# Altium PCB 智能马桶综合检测台V1.0.PcbDoc (part 4 of 10) (continued)
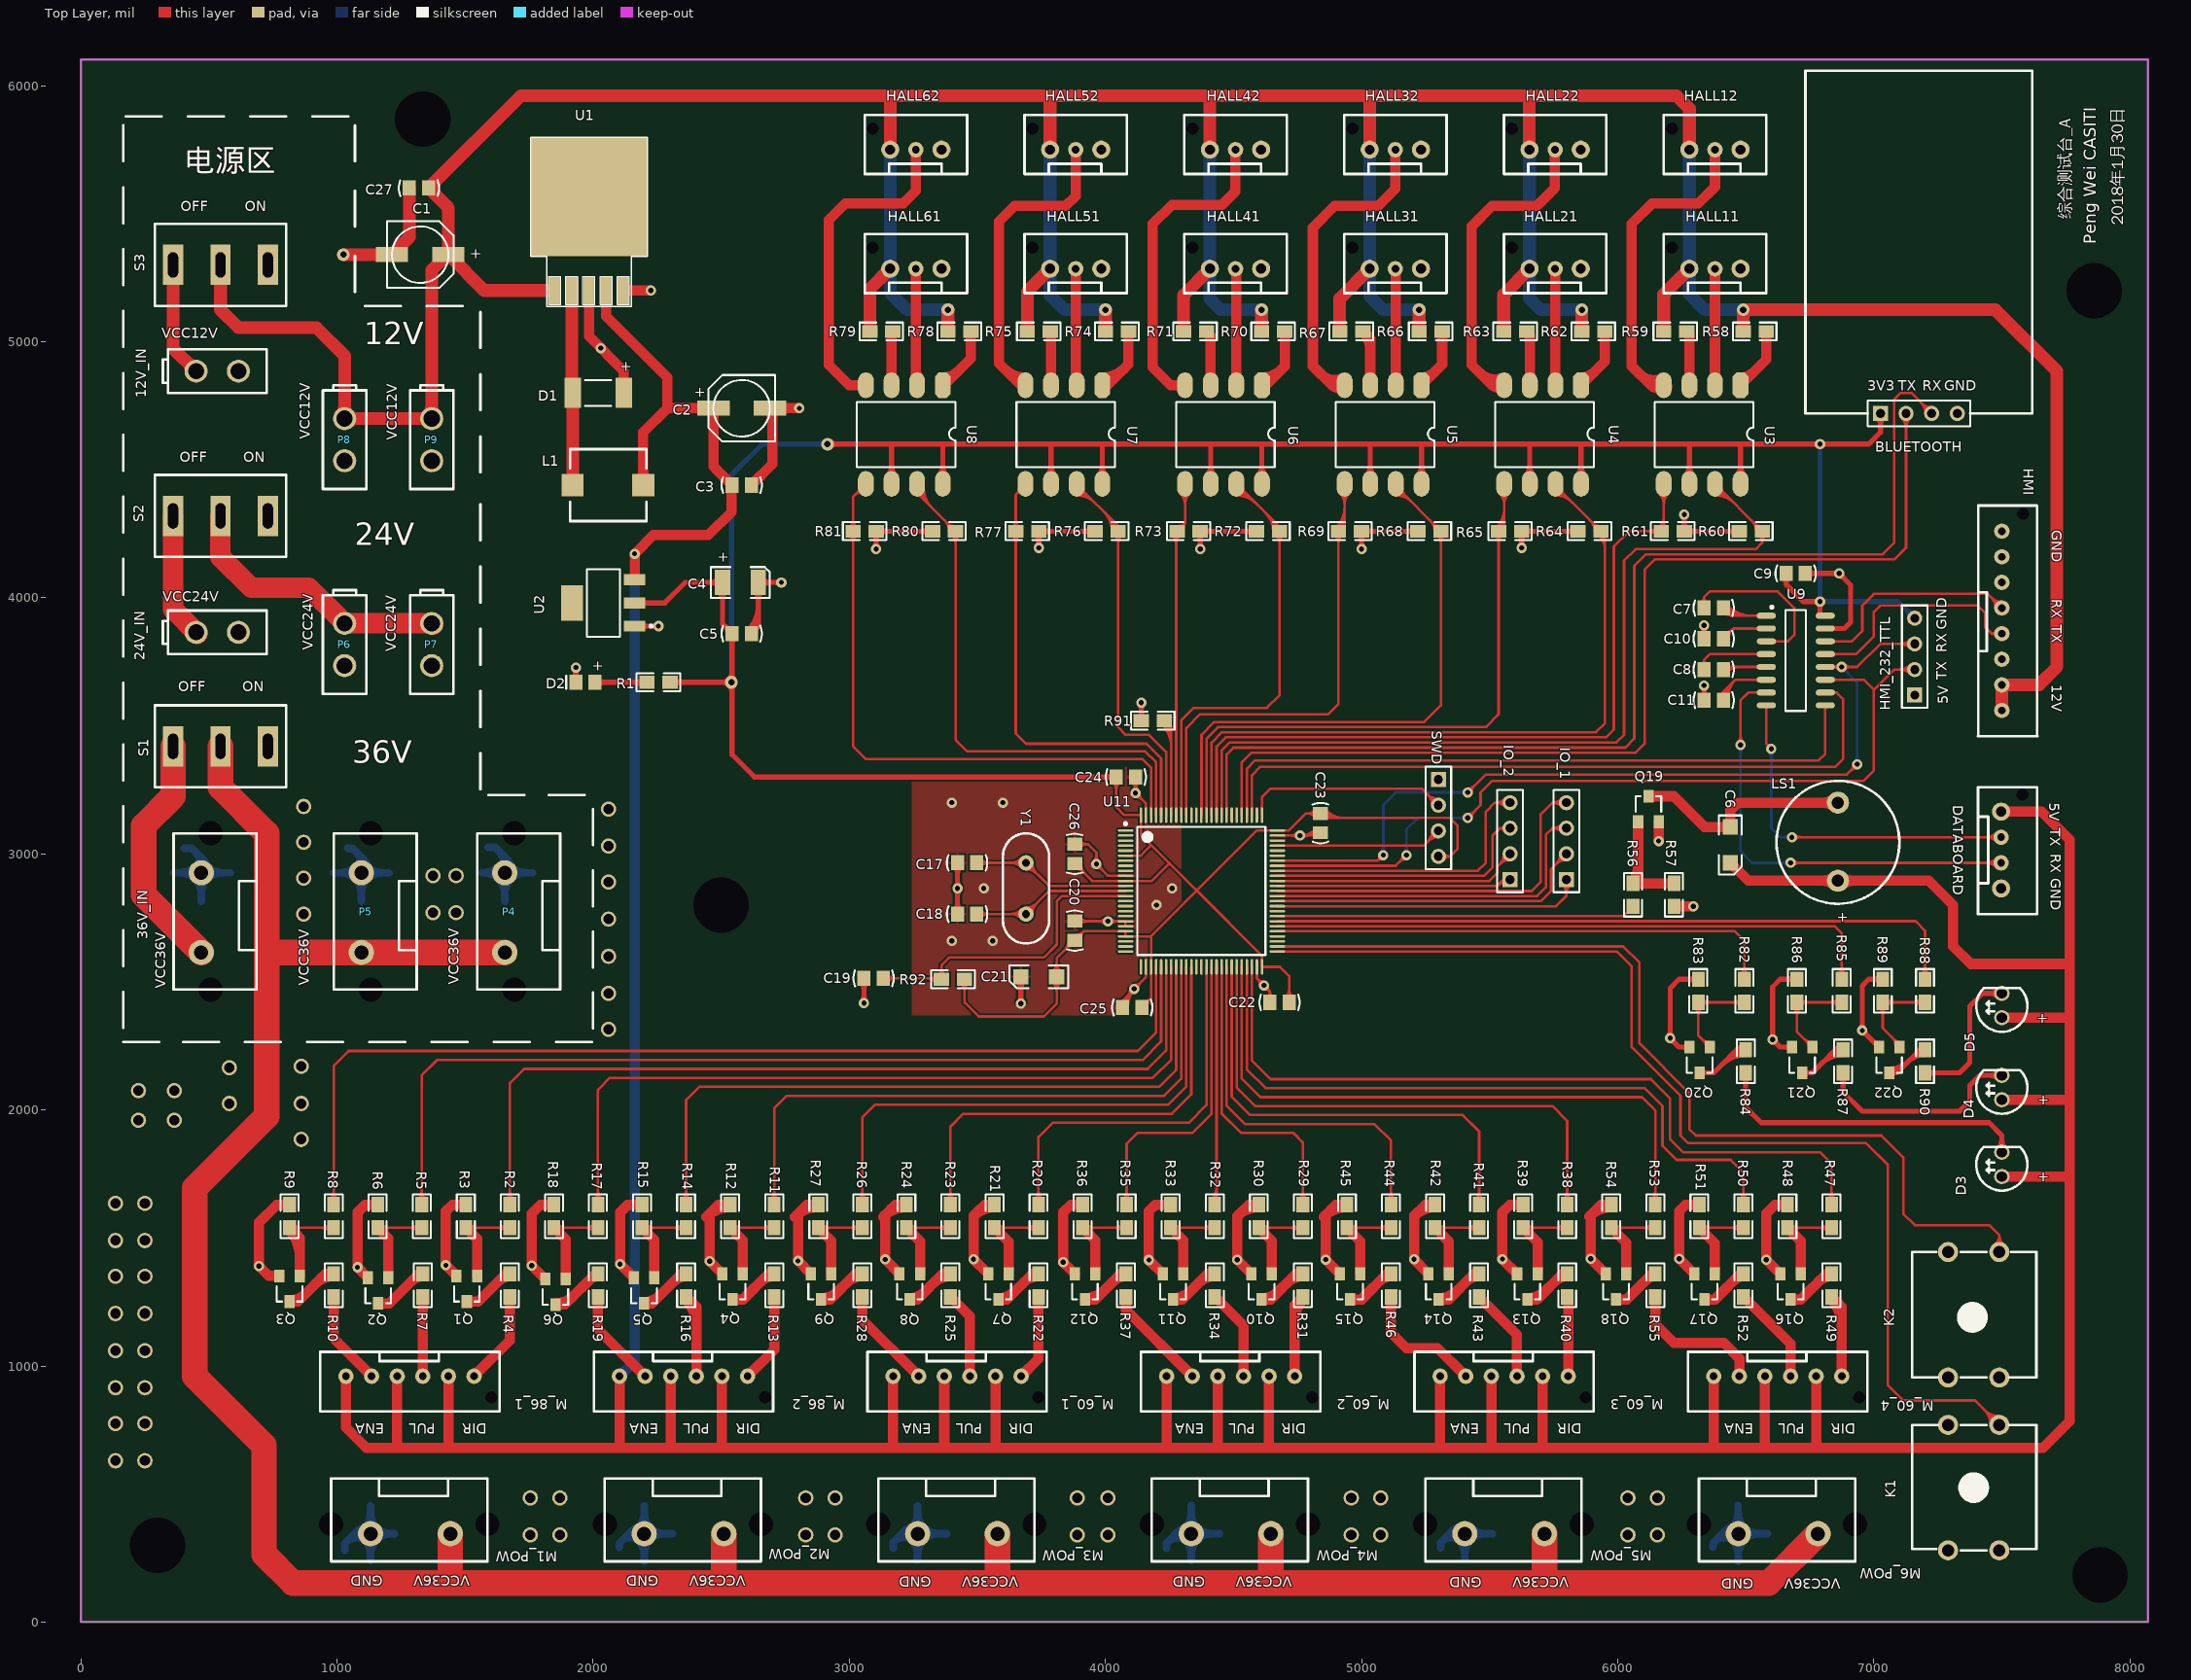
[diagram p0: Top Layer view]
## Nets (pads, with @x,y where several pads share a name; then routed paths per layer and width w, separated by ;. In a path a pad name is that pad's centre, name@x,y a point inside that pad or via, vN(x,y) a via of type N, cw(c..) or ccw(c..) an arc to the next point about the centre after c; other vN are vias at no path point) (continued)
; v1@4992.93,4197.07 ccw(c4975.86,4214.14) 5000,4214.14 ; v1@4992.93,4197.07 ccw(c4975.86,4214.14) 5000,4214.14 ; v1@4992.93,4197.07 ccw(c4975.86,4214.14) 5000,4214.14 ; 5000,4214.14 ccw(c5024.14,4214.14) v1@5007.07,4197.07 ; 5000,4214.14 ccw(c5024.14,4214.14) v1@5007.07,4197.07 ; 5000,4214.14 ccw(c5024.14,4214.14) v1@5007.07,4197.07 ; 5000,4214.14 ccw(c5024.14,4214.14) v1@5007.07,4197.07 ; 5000,4214.14 ccw(c5024.14,4214.14) v1@5007.07,4197.07 ; 5000,4223.79 cw(c5036.21,4223.79) R69.1@5010.61,4249.39 ; 5000,4223.79 cw(c5036.21,4223.79) R69.1@5010.61,4249.39 ; 5000,4223.79 cw(c5036.21,4223.79) R69.1@5010.61,4249.39 ; 5000,4223.79 cw(c5036.21,4223.79) R69.1@5010.61,4249.39 ; 5000,4223.79 cw(c5036.21,4223.79) R69.1@5010.61,4249.39 ; R69.1@5015.61,4249.39 cw(c5041.21,4223.79) 5041.21,4260 ; R69.1@5015.61,4249.39 cw(c5041.21,4223.79) 5041.21,4260 ; R69.1@5015.61,4249.39 cw(c5041.21,4223.79) 5041.21,4260 ; R69.1@5015.61,4249.39 cw(c5041.21,4223.79) 5041.21,4260 ; R69.1@5015.61,4249.39 cw(c5041.21,4223.79) 5041.21,4260 ; R69.1@5015.61,4270.61 ccw(c5041.21,4296.21) 5041.21,4260 ; R69.1@5015.61,4270.61 ccw(c5041.21,4296.21) 5041.21,4260 ; R69.1@5015.61,4270.61 ccw(c5041.21,4296.21) 5041.21,4260 ; R69.1@5015.61,4270.61 ccw(c5041.21,4296.21) 5041.21,4260 ; R69.1@5015.61,4270.61 ccw(c5041.21,4296.21) 5041.21,4260 ; 5178.79,4260 cw(c5178.79,4223.79) R68.1@5204.39,4249.39 ; 5178.79,4260 ccw(c5178.79,4296.21) R68.1@5204.39,4270.61 ; 5178.79,4260 cw(c5178.79,4223.79) R68.1@5204.39,4249.39 ; 5178.79,4260 ccw(c5178.79,4296.21) R68.1@5204.39,4270.61 ; 5178.79,4260 cw(c5178.79,4223.79) R68.1@5204.39,4249.39 ; 5178.79,4260 ccw(c5178.79,4296.21) R68.1@5204.39,4270.61 ; 5178.79,4260 cw(c5178.79,4223.79) R68.1@5204.39,4249.39 ; 5178.79,4260 ccw(c5178.79,4296.21) R68.1@5204.39,4270.61 ; 5178.79,4260 ccw(c5178.79,4296.21) R68.1@5204.39,4270.61 ; 5178.79,4260 cw(c5178.79,4223.79) R68.1@5204.39,4249.39 ; R65.1@5614.39,4249.39 cw(c5588.79,4223.79) 5625,4223.79 ; R65.1@5614.39,4249.39 cw(c5588.79,4223.79) 5625,4223.79 ; R65.1@5614.39,4249.39 cw(c5588.79,4223.79) 5625,4223.79 ; R65.1@5614.39,4249.39 cw(c5588.79,4223.79) 5625,4223.79 ; R65.1@5614.39,4249.39 cw(c5588.79,4223.79) 5625,4223.79 ; v1@5617.93,4202.07 ccw(c5600.86,4219.14) 5625,4219.14 ; v1@5617.93,4202.07 ccw(c5600.86,4219.14) 5625,4219.14 ; v1@5617.93,4202.07 ccw(c5600.86,4219.14) 5625,4219.14 ; v1@5617.93,4202.07 ccw(c5600.86,4219.14) 5625,4219.14 ; v1@5617.93,4202.07 ccw(c5600.86,4219.14) 5625,4219.14 ; 5625,4219.14 ccw(c5649.14,4219.14) v1@5632.07,4202.07 ; 5625,4219.14 ccw(c5649.14,4219.14) v1@5632.07,4202.07 ; 5625,4219.14 ccw(c5649.14,4219.14) v1@5632.07,4202.07 ; 5625,4219.14 ccw(c5649.14,4219.14) v1@5632.07,4202.07 ; 5625,4219.14 ccw(c5649.14,4219.14) v1@5632.07,4202.07 ; 5625,4223.79 cw(c5661.21,4223.79) R65.1@5635.61,4249.39 ; 5625,4223.79 cw(c5661.21,4223.79) R65.1@5635.61,4249.39 ; 5625,4223.79 cw(c5661.21,4223.79) R65.1@5635.61,4249.39 ; 5625,4223.79 cw(c5661.21,4223.79) R65.1@5635.61,4249.39 ; 5625,4223.79 cw(c5661.21,4223.79) R65.1@5635.61,4249.39 ; R65.1@5640.61,4249.39 cw(c5666.21,4223.79) 5666.21,4260 ; R65.1@5640.61,4249.39 cw(c5666.21,4223.79) 5666.21,4260 ; R65.1@5640.61,4249.39 cw(c5666.21,4223.79) 5666.21,4260 ; R65.1@5640.61,4249.39 cw(c5666.21,4223.79) 5666.21,4260 ; R65.1@5640.61,4249.39 cw(c5666.21,4223.79) 5666.21,4260 ; R65.1@5640.61,4270.61 ccw(c5666.21,4296.21) 5666.21,4260 ; R65.1@5640.61,4270.61 ccw(c5666.21,4296.21) 5666.21,4260 ; R65.1@5640.61,4270.61 ccw(c5666.21,4296.21) 5666.21,4260 ; R65.1@5640.61,4270.61 ccw(c5666.21,4296.21) 5666.21,4260 ; R65.1@5640.61,4270.61 ccw(c5666.21,4296.21) 5666.21,4260 ; 5803.79,4260 cw(c5803.79,4223.79) R64.1@5829.39,4249.39 ; 5803.79,4260 ccw(c5803.79,4296.21) R64.1@5829.39,4270.61 ; 5803.79,4260 cw(c5803.79,4223.79) R64.1@5829.39,4249.39 ; 5803.79,4260 ccw(c5803.79,4296.21) R64.1@5829.39,4270.61 ; 5803.79,4260 cw(c5803.79,4223.79) R64.1@5829.39,4249.39 ; 5803.79,4260 ccw(c5803.79,4296.21) R64.1@5829.39,4270.61 ; 5803.79,4260 cw(c5803.79,4223.79) R64.1@5829.39,4249.39 ; 5803.79,4260 ccw(c5803.79,4296.21) R64.1@5829.39,4270.61 ; 5803.79,4260 ccw(c5803.79,4296.21) R64.1@5829.39,4270.61 ; 5803.79,4260 cw(c5803.79,4223.79) R64.1@5829.39,4249.39 ; v1@6197.93,2287.07 ccw(c6180.86,2304.14) 6205,2304.14 ; v1@6197.93,2287.07 ccw(c6180.86,2304.14) 6205,2304.14 ; v1@6197.93,2287.07 ccw(c6180.86,2304.14) 6205,2304.14 ; v1@6197.93,2287.07 ccw(c6180.86,2304.14) 6205,2304.14 ; v1@6197.93,2287.07 ccw(c6180.86,2304.14) 6205,2304.14 ; v1@6197.93,2287.07 ccw(c6180.86,2304.14) 6205,2304.14 ; v1@6205,2270 cw(c6205,2245.86) 6222.07,2262.93 ; v1@6205,2270 cw(c6205,2245.86) 6222.07,2262.93 ; v1@6205,2270 cw(c6205,2245.86) 6222.07,2262.93 ; v1@6205,2270 cw(c6205,2245.86) 6222.07,2262.93 ; v1@6205,2270 cw(c6205,2245.86) 6222.07,2262.93 ; v1@6205,2270 cw(c6205,2245.86) 6222.07,2262.93 ; 6205,2304.14 ccw(c6229.14,2304.14) v1@6212.07,2287.07 ; 6205,2304.14 ccw(c6229.14,2304.14) v1@6212.07,2287.07 ; 6205,2304.14 ccw(c6229.14,2304.14) v1@6212.07,2287.07 ; 6205,2304.14 ccw(c6229.14,2304.14) v1@6212.07,2287.07 ; 6205,2304.14 ccw(c6229.14,2304.14) v1@6212.07,2287.07 ; 6205,2304.14 ccw(c6229.14,2304.14) v1@6212.07,2287.07 ; v1@6215,2280 ccw(c6239.14,2280) 6222.07,2262.93 ; v1@6215,2280 ccw(c6239.14,2280) 6222.07,2262.93 ; v1@6215,2280 ccw(c6239.14,2280) 6222.07,2262.93 ; v1@6215,2280 ccw(c6239.14,2280) 6222.07,2262.93 ; v1@6215,2280 ccw(c6239.14,2280) 6222.07,2262.93 ; v1@6215,2280 ccw(c6239.14,2280) 6222.07,2262.93 ; R61.1@6249.39,4270.61 ccw(c6223.79,4296.21) 6260,4296.21 ; R61.1@6249.39,4270.61 ccw(c6223.79,4296.21) 6260,4296.21 ; R61.1@6249.39,4270.61 ccw(c6223.79,4296.21) 6260,4296.21 ; R61.1@6249.39,4270.61 ccw(c6223.79,4296.21) 6260,4296.21 ; R61.1@6249.39,4270.61 ccw(c6223.79,4296.21) 6260,4296.21 ; v1@6252.93,4317.93 cw(c6235.86,4300.86) 6260,4300.86 ; v1@6252.93,4317.93 cw(c6235.86,4300.86) 6260,4300.86 ; v1@6252.93,4317.93 cw(c6235.86,4300.86) 6260,4300.86 ; v1@6252.93,4317.93 cw(c6235.86,4300.86) 6260,4300.86 ; v1@6252.93,4317.93 cw(c6235.86,4300.86) 6260,4300.86 ; 6255.86,2245 cw(c6255.86,2220.86) Q20.2@6272.93,2237.93 ; 6255.86,2245 ccw(c6255.86,2269.14) Q20.2@6272.93,2252.07 ; 6255.86,2245 cw(c6255.86,2220.86) Q20.2@6272.93,2237.93 ; 6255.86,2245 ccw(c6255.86,2269.14) Q20.2@6272.93,2252.07 ; 6255.86,2245 cw(c6255.86,2220.86) Q20.2@6272.93,2237.93 ; 6255.86,2245 ccw(c6255.86,2269.14) Q20.2@6272.93,2252.07 ; 6255.86,2245 cw(c6255.86,2220.86) Q20.2@6272.93,2237.93 ; 6255.86,2245 ccw(c6255.86,2269.14) Q20.2@6272.93,2252.07 ; 6255.86,2245 cw(c6255.86,2220.86) Q20.2@6272.93,2237.93 ; 6255.86,2245 ccw(c6255.86,2269.14) Q20.2@6272.93,2252.07 ; 6255.86,2245 ccw(c6255.86,2269.14) Q20.2@6272.93,2252.07 ; 6255.86,2245 cw(c6255.86,2220.86) Q20.2@6272.93,2237.93 ; 6260,4296.21 ccw(c6296.21,4296.21) R61.1@6270.61,4270.61 ; 6260,4296.21 ccw(c6296.21,4296.21) R61.1@6270.61,4270.61 ; 6260,4296.21 ccw(c6296.21,4296.21) R61.1@6270.61,4270.61 ; 6260,4296.21 ccw(c6296.21,4296.21) R61.1@6270.61,4270.61 ; 6260,4296.21 ccw(c6296.21,4296.21) R61.1@6270.61,4270.61 ; 6260,4300.86 cw(c6284.14,4300.86) v1@6267.07,4317.93 ; 6260,4300.86 cw(c6284.14,4300.86) v1@6267.07,4317.93 ; 6260,4300.86 cw(c6284.14,4300.86) v1@6267.07,4317.93 ; 6260,4300.86 cw(c6284.14,4300.86) v1@6267.07,4317.93 ; 6260,4300.86 cw(c6284.14,4300.86) v1@6267.07,4317.93 ; R61.1@6275.61,4249.39 cw(c6301.21,4223.79) 6301.21,4260 ; R61.1@6275.61,4249.39 cw(c6301.21,4223.79) 6301.21,4260 ; R61.1@6275.61,4249.39 cw(c6301.21,4223.79) 6301.21,4260 ; R61.1@6275.61,4249.39 cw(c6301.21,4223.79) 6301.21,4260 ; R61.1@6275.61,4249.39 cw(c6301.21,4223.79) 6301.21,4260 ; R61.1@6275.61,4270.61 ccw(c6301.21,4296.21) 6301.21,4260 ; R61.1@6275.61,4270.61 ccw(c6301.21,4296.21) 6301.21,4260 ; R61.1@6275.61,4270.61 ccw(c6301.21,4296.21) 6301.21,4260 ; R61.1@6275.61,4270.61 ccw(c6301.21,4296.21) 6301.21,4260 ; R61.1@6275.61,4270.61 ccw(c6301.21,4296.21) 6301.21,4260 ; 6278.79,2510 cw(c6278.79,2473.79) R83.2@6304.39,2499.39 ; 6278.79,2510 ccw(c6278.79,2546.21) R83.2@6304.39,2520.61 ; 6278.79,2510 cw(c6278.79,2473.79) R83.2@6304.39,2499.39 ; 6278.79,2510 ccw(c6278.79,2546.21) R83.2@6304.39,2520.61 ; 6278.79,2510 cw(c6278.79,2473.79) R83.2@6304.39,2499.39 ; 6278.79,2510 ccw(c6278.79,2546.21) R83.2@6304.39,2520.61 ; 6278.79,2510 cw(c6278.79,2473.79) R83.2@6304.39,2499.39 ; 6278.79,2510 ccw(c6278.79,2546.21) R83.2@6304.39,2520.61 ; 6278.79,2510 cw(c6278.79,2473.79) R83.2@6304.39,2499.39 ; 6278.79,2510 ccw(c6278.79,2546.21) R83.2@6304.39,2520.61 ; 6278.79,2510 ccw(c6278.79,2546.21) R83.2@6304.39,2520.61 ; 6278.79,2510 cw(c6278.79,2473.79) R83.2@6304.39,2499.39 ; 6433.79,4260 cw(c6433.79,4223.79) R60.1@6459.39,4249.39 ; 6433.79,4260 ccw(c6433.79,4296.21) R60.1@6459.39,4270.61 ; 6433.79,4260 cw(c6433.79,4223.79) R60.1@6459.39,4249.39 ; 6433.79,4260 ccw(c6433.79,4296.21) R60.1@6459.39,4270.61 ; 6433.79,4260 cw(c6433.79,4223.79) R60.1@6459.39,4249.39 ; 6433.79,4260 ccw(c6433.79,4296.21) R60.1@6459.39,4270.61 ; 6433.79,4260 cw(c6433.79,4223.79) R60.1@6459.39,4249.39 ; 6433.79,4260 ccw(c6433.79,4296.21) R60.1@6459.39,4270.61 ; 6433.79,4260 ccw(c6433.79,4296.21) R60.1@6459.39,4270.61 ; 6433.79,4260 cw(c6433.79,4223.79) R60.1@6459.39,4249.39 ; v1@6597.93,2282.07 ccw(c6580.86,2299.14) 6605,2299.14 ; v1@6597.93,2282.07 ccw(c6580.86,2299.14) 6605,2299.14 ; v1@6597.93,2282.07 ccw(c6580.86,2299.14) 6605,2299.14 ; v1@6597.93,2282.07 ccw(c6580.86,2299.14) 6605,2299.14 ; v1@6597.93,2282.07 ccw(c6580.86,2299.14) 6605,2299.14 ; v1@6597.93,2282.07 ccw(c6580.86,2299.14) 6605,2299.14 ; v1@6605,2265 cw(c6605,2240.86) 6622.07,2257.93 ; v1@6605,2265 cw(c6605,2240.86) 6622.07,2257.93 ; v1@6605,2265 cw(c6605,2240.86) 6622.07,2257.93 ; v1@6605,2265 cw(c6605,2240.86) 6622.07,2257.93 ; v1@6605,2265 cw(c6605,2240.86) 6622.07,2257.93 ; v1@6605,2265 cw(c6605,2240.86) 6622.07,2257.93 ; 6605,2299.14 ccw(c6629.14,2299.14) v1@6612.07,2282.07 ; 6605,2299.14 ccw(c6629.14,2299.14) v1@6612.07,2282.07 ; 6605,2299.14 ccw(c6629.14,2299.14) v1@6612.07,2282.07 ; 6605,2299.14 ccw(c6629.14,2299.14) v1@6612.07,2282.07 ; 6605,2299.14 ccw(c6629.14,2299.14) v1@6612.07,2282.07 ; 6605,2299.14 ccw(c6629.14,2299.14) v1@6612.07,2282.07 ; v1@6615,2275 ccw(c6639.14,2275) 6622.07,2257.93 ; v1@6615,2275 ccw(c6639.14,2275) 6622.07,2257.93 ; v1@6615,2275 ccw(c6639.14,2275) 6622.07,2257.93 ; v1@6615,2275 ccw(c6639.14,2275) 6622.07,2257.93 ; v1@6615,2275 ccw(c6639.14,2275) 6622.07,2257.93 ; v1@6615,2275 ccw(c6639.14,2275) 6622.07,2257.93 ; 6655.86,2245 cw(c6655.86,2220.86) Q21.2@6672.93,2237.93 ; 6655.86,2245 ccw(c6655.86,2269.14) Q21.2@6672.93,2252.07 ; 6655.86,2245 cw(c6655.86,2220.86) Q21.2@6672.93,2237.93 ; 6655.86,2245 ccw(c6655.86,2269.14) Q21.2@6672.93,2252.07 ; 6655.86,2245 cw(c6655.86,2220.86) Q21.2@6672.93,2237.93 ; 6655.86,2245 ccw(c6655.86,2269.14) Q21.2@6672.93,2252.07 ; 6655.86,2245 cw(c6655.86,2220.86) Q21.2@6672.93,2237.93 ; 6655.86,2245 ccw(c6655.86,2269.14) Q21.2@6672.93,2252.07 ; 6655.86,2245 cw(c6655.86,2220.86) Q21.2@6672.93,2237.93 ; 6655.86,2245 ccw(c6655.86,2269.14) Q21.2@6672.93,2252.07 ; 6655.86,2245 ccw(c6655.86,2269.14) Q21.2@6672.93,2252.07 ; 6655.86,2245 cw(c6655.86,2220.86) Q21.2@6672.93,2237.93 ; 6663.79,2510 cw(c6663.79,2473.79) R86.2@6689.39,2499.39 ; 6663.79,2510 ccw(c6663.79,2546.21) R86.2@6689.39,2520.61 ; 6663.79,2510 cw(c6663.79,2473.79) R86.2@6689.39,2499.39 ; 6663.79,2510 ccw(c6663.79,2546.21) R86.2@6689.39,2520.61 ; 6663.79,2510 cw(c6663.79,2473.79) R86.2@6689.39,2499.39 ; 6663.79,2510 ccw(c6663.79,2546.21) R86.2@6689.39,2520.61 ; 6663.79,2510 cw(c6663.79,2473.79) R86.2@6689.39,2499.39 ; 6663.79,2510 ccw(c6663.79,2546.21) R86.2@6689.39,2520.61 ; 6663.79,2510 cw(c6663.79,2473.79) R86.2@6689.39,2499.39 ; 6663.79,2510 ccw(c6663.79,2546.21) R86.2@6689.39,2520.61 ; 6663.79,2510 ccw(c6663.79,2546.21) R86.2@6689.39,2520.61 ; 6663.79,2510 cw(c6663.79,2473.79) R86.2@6689.39,2499.39 ; C9.1@6743.43,4083.98 cw(c6770.04,4057.36) 6770.04,4095 ; C9.1@6743.43,4083.98 cw(c6770.04,4057.36) 6770.04,4095 ; C9.1@6743.43,4083.98 cw(c6770.04,4057.36) 6770.04,4095 ; C9.1@6743.43,4083.98 cw(c6770.04,4057.36) 6770.04,4095 ; C9.1@6743.43,4083.98 cw(c6770.04,4057.36) 6770.04,4095 ; C9.1@6743.43,4083.98 cw(c6770.04,4057.36) 6770.04,4095 ; C9.1@6743.43,4106.02 ccw(c6770.04,4132.64) 6770.04,4095 ; C9.1@6743.43,4106.02 ccw(c6770.04,4132.64) 6770.04,4095 ; C9.1@6743.43,4106.02 ccw(c6770.04,4132.64) 6770.04,4095 ; C9.1@6743.43,4106.02 ccw(c6770.04,4132.64) 6770.04,4095 ; C9.1@6743.43,4106.02 ccw(c6770.04,4132.64) 6770.04,4095 ; C9.1@6743.43,4106.02 ccw(c6770.04,4132.64) 6770.04,4095 ; 6840.86,4095 cw(c6840.86,4070.86) v1@6857.93,4087.93 ; 6840.86,4095 ccw(c6840.86,4119.14) v1@6857.93,4102.07 ; 6840.86,4095 cw(c6840.86,4070.86) v1@6857.93,4087.93 ; 6840.86,4095 ccw(c6840.86,4119.14) v1@6857.93,4102.07 ; 6840.86,4095 cw(c6840.86,4070.86) v1@6857.93,4087.93 ; 6840.86,4095 ccw(c6840.86,4119.14) v1@6857.93,4102.07 ; 6840.86,4095 cw(c6840.86,4070.86) v1@6857.93,4087.93 ; 6840.86,4095 ccw(c6840.86,4119.14) v1@6857.93,4102.07 ; 6840.86,4095 ccw(c6840.86,4119.14) v1@6857.93,4102.07 ; 6840.86,4095 cw(c6840.86,4070.86) v1@6857.93,4087.93 ; v1@6865,4085 cw(c6865,4060.86) 6882.07,4077.93 ; v1@6865,4085 cw(c6865,4060.86) 6882.07,4077.93 ; v1@6865,4085 cw(c6865,4060.86) 6882.07,4077.93 ; v1@6865,4085 cw(c6865,4060.86) 6882.07,4077.93 ; v1@6865,4085 cw(c6865,4060.86) 6882.07,4077.93 ; v1@6875,4095 ccw(c6899.14,4095) 6882.07,4077.93 ; v1@6875,4095 ccw(c6899.14,4095) 6882.07,4077.93 ; v1@6875,4095 ccw(c6899.14,4095) 6882.07,4077.93 ; v1@6875,4095 ccw(c6899.14,4095) 6882.07,4077.93 ; v1@6875,4095 ccw(c6899.14,4095) 6882.07,4077.93 ; v1@6947.93,2317.07 ccw(c6930.86,2334.14) 6955,2334.14 ; v1@6947.93,2317.07 ccw(c6930.86,2334.14) 6955,2334.14 ; v1@6947.93,2317.07 ccw(c6930.86,2334.14) 6955,2334.14 ; v1@6947.93,2317.07 ccw(c6930.86,2334.14) 6955,2334.14 ; v1@6947.93,2317.07 ccw(c6930.86,2334.14) 6955,2334.14 ; v1@6947.93,2317.07 ccw(c6930.86,2334.14) 6955,2334.14 ; v1@6955,2300 cw(c6955,2275.86) 6972.07,2292.93 ; v1@6955,2300 cw(c6955,2275.86) 6972.07,2292.93 ; v1@6955,2300 cw(c6955,2275.86) 6972.07,2292.93 ; v1@6955,2300 cw(c6955,2275.86) 6972.07,2292.93 ; v1@6955,2300 cw(c6955,2275.86) 6972.07,2292.93 ; v1@6955,2300 cw(c6955,2275.86) 6972.07,2292.93 ; 6955,2334.14 ccw(c6979.14,2334.14) v1@6962.07,2317.07 ; 6955,2334.14 ccw(c6979.14,2334.14) v1@6962.07,2317.07 ; 6955,2334.14 ccw(c6979.14,2334.14) v1@6962.07,2317.07 ; 6955,2334.14 ccw(c6979.14,2334.14) v1@6962.07,2317.07 ; 6955,2334.14 ccw(c6979.14,2334.14) v1@6962.07,2317.07 ; 6955,2334.14 ccw(c6979.14,2334.14) v1@6962.07,2317.07 ; v1@6965,2310 ccw(c6989.14,2310) 6972.07,2292.93 ; v1@6965,2310 ccw(c6989.14,2310) 6972.07,2292.93 ; v1@6965,2310 ccw(c6989.14,2310) 6972.07,2292.93 ; v1@6965,2310 ccw(c6989.14,2310) 6972.07,2292.93 ; v1@6965,2310 ccw(c6989.14,2310) 6972.07,2292.93 ; v1@6965,2310 ccw(c6989.14,2310) 6972.07,2292.93 ; 6994.39,2270.61 ccw(c7020,2296.21) Q22.2@7020,2260 ; 6994.39,2270.61 ccw(c7020,2296.21) Q22.2@7020,2260 ; 6994.39,2270.61 ccw(c7020,2296.21) Q22.2@7020,2260 ; 6994.39,2270.61 ccw(c7020,2296.21) Q22.2@7020,2260 ; 6994.39,2270.61 ccw(c7020,2296.21) Q22.2@7020,2260 ; 6994.39,2270.61 ccw(c7020,2296.21) Q22.2@7020,2260 ; 6998.79,2510 cw(c6998.79,2473.79) R89.2@7024.39,2499.39 ; 6998.79,2510 ccw(c6998.79,2546.21) R89.2@7024.39,2520.61 ; 6998.79,2510 cw(c6998.79,2473.79) R89.2@7024.39,2499.39 ; 6998.79,2510 ccw(c6998.79,2546.21) R89.2@7024.39,2520.61 ; 6998.79,2510 cw(c6998.79,2473.79) R89.2@7024.39,2499.39 ; 6998.79,2510 ccw(c6998.79,2546.21) R89.2@7024.39,2520.61 ; 6998.79,2510 cw(c6998.79,2473.79) R89.2@7024.39,2499.39 ; 6998.79,2510 ccw(c6998.79,2546.21) R89.2@7024.39,2520.61 ; 6998.79,2510 cw(c6998.79,2473.79) R89.2@7024.39,2499.39 ; 6998.79,2510 ccw(c6998.79,2546.21) R89.2@7024.39,2520.61 ; 6998.79,2510 ccw(c6998.79,2546.21) R89.2@7024.39,2520.61 ; 6998.79,2510 cw(c6998.79,2473.79) R89.2@7024.39,2499.39
  Top Layer w40: Q3.2@775,1351.5 733.5,1351.5 v1(695,1390) 695,1560 765,1630 R9.2@815,1630 ; Q2.2@1120.88,1344.5 v1(1080,1385.38) 1080,1600 1110,1630 R6.1@1159,1630 ; Q1.2@1466.76,1351.5 v1(1425,1393.26) 1425,1605 1450,1630 R3.2@1503,1630 ; Q6.2@1812.65,1339.5 v1(1760,1392.15) 1760,1595 1795,1630 R18.1@1847,1630 ; U1.3@1983.86,5200 1983.86,5021.14 2119.41,4885.59 D1.1@2119.41,4800 ; U1.5@2117.72,5200 v1(2225,5200) ; Q5.2@2158.53,1344.5 v1(2105,1398.03) 2105,1600 2135,1630 R15.2@2191,1630 ; Q4.2@2504.41,1360 v1(2455,1409.41) 2455,1595 2490,1630 R12.1@2535,1630 ; C3.1@2617.4,4440 2700,4522.6 C2.2@2700,4740 ; C2.2@2690.24,4740 v1(2805,4740) ; Q9.2@2850.29,1360 v1(2800,1410.29) 2800,1595 2835,1630 R27.2@2879,1630 ; Q8.2@3196.18,1360 v1(3140,1416.18) 3140,1590 3180,1630 R24.1@3223,1630 ; Q7.2@3542.06,1360 v1(3485,1417.06) 3485,1585 3530,1630 R21.2@3567,1630 ; Q12.2@3880,1360 v1(3835,1405) 3835,1600 3865,1630 R36.1@3911,1630 ; Q11.2@4223.82,1360 v1(4170,1413.82) 4170,1605 4195,1630 R33.2@4255,1630 ; Q10.2@4570,1360 v1(4515,1415) 4515,1585 4560,1630 R30.1@4599,1630 ; Q15.2@4915.59,1360 v1(4860,1415.59) 4860,1590 4900,1630 R45.2@4943,1630 ; Q14.2@5261.47,1360 v1(5205,1416.47) 5205,1585 5250,1630 R42.2@5287,1630 ; Q13.2@5607.35,1360 v1(5550,1417.35) 5550,1600 5580,1630 R39.1@5631,1630 ; Q18.2@5953.23,1360 v1(5895,1418.23) 5895,1590 5935,1630 R54.2@5975,1630 ; v1(6160,3050) Q19.2@6160,3125 ; R57.2@6220,2795 v1(6295,2795) ; Q17.2@6299.12,1360 v1(6240,1419.12) 6240,1605 6265,1630 R51.2@6319,1630 ; Q16.2@6635,1360 v1(6580,1415) 6580,1595 6615,1630 R48.1@6663,1630 ; 2441.11,1581.11 cw(c2535,1487.22) R12.1@2535,1620 ; 2441.11,1581.11 cw(c2535,1487.22) R12.1@2535,1620 ; 2441.11,1581.11 cw(c2535,1487.22) R12.1@2535,1620 ; 2441.11,1581.11 cw(c2535,1487.22) R12.1@2535,1620 ; 2441.11,1581.11 cw(c2535,1487.22) R12.1@2535,1620 ; 2441.11,1581.11 cw(c2535,1487.22) R12.1@2535,1620 ; 2467.5,1607.5 cw(c2515.87,1559.13) R12.1@2533.7,1625.17 ; 2467.5,1607.5 cw(c2515.87,1559.13) R12.1@2533.7,1625.17 ; 2467.5,1607.5 cw(c2515.87,1559.13) R12.1@2533.7,1625.17 ; 2467.5,1607.5 cw(c2515.87,1559.13) R12.1@2533.7,1625.17 ; 2467.5,1607.5 cw(c2515.87,1559.13) R12.1@2533.7,1625.17 ; 2467.5,1607.5 cw(c2515.87,1559.13) R12.1@2533.7,1625.17 ; C2.2@2683.5,4733.26 cw(c2643.66,4693.43) 2700,4693.43 ; C2.2@2683.5,4733.26 cw(c2643.66,4693.43) 2700,4693.43 ; C2.2@2683.5,4733.26 cw(c2643.66,4693.43) 2700,4693.43 ; C2.2@2683.5,4733.26 cw(c2643.66,4693.43) 2700,4693.43 ; C2.2@2683.5,4733.26 cw(c2643.66,4693.43) 2700,4693.43 ; 2786.82,1581.82 cw(c2879,1489.63) R27.2@2879,1620 ; 2786.82,1581.82 cw(c2879,1489.63) R27.2@2879,1620 ; 2786.82,1581.82 cw(c2879,1489.63) R27.2@2879,1620 ; 2786.82,1581.82 cw(c2879,1489.63) R27.2@2879,1620 ; 2786.82,1581.82 cw(c2879,1489.63) R27.2@2879,1620 ; 2786.82,1581.82 cw(c2879,1489.63) R27.2@2879,1620 ; 2813,1608 cw(c2860.14,1560.87) R27.2@2877.68,1625.18 ; 2813,1608 cw(c2860.14,1560.87) R27.2@2877.68,1625.18 ; 2813,1608 cw(c2860.14,1560.87) R27.2@2877.68,1625.18 ; 2813,1608 cw(c2860.14,1560.87) R27.2@2877.68,1625.18 ; 2813,1608 cw(c2860.14,1560.87) R27.2@2877.68,1625.18 ; 2813,1608 cw(c2860.14,1560.87) R27.2@2877.68,1625.18 ; 3132.52,1582.52 cw(c3223,1492.05) R24.1@3223,1620 ; 3132.52,1582.52 cw(c3223,1492.05) R24.1@3223,1620 ; 3132.52,1582.52 cw(c3223,1492.05) R24.1@3223,1620 ; 3132.52,1582.52 cw(c3223,1492.05) R24.1@3223,1620 ; 3132.52,1582.52 cw(c3223,1492.05) R24.1@3223,1620 ; 3132.52,1582.52 cw(c3223,1492.05) R24.1@3223,1620 ; 3158.5,1608.5 cw(c3204.41,1562.6) R24.1@3221.67,1625.18 ; 3158.5,1608.5 cw(c3204.41,1562.6) R24.1@3221.67,1625.18 ; 3158.5,1608.5 cw(c3204.41,1562.6) R24.1@3221.67,1625.18 ; 3158.5,1608.5 cw(c3204.41,1562.6) R24.1@3221.67,1625.18 ; 3158.5,1608.5 cw(c3204.41,1562.6) R24.1@3221.67,1625.18 ; 3158.5,1608.5 cw(c3204.41,1562.6) R24.1@3221.67,1625.18 ; 3486.77,1586.77 cw(c3567,1506.53) R21.2@3567,1620 ; 3486.77,1586.77 cw(c3567,1506.53) R21.2@3567,1620 ; 3486.77,1586.77 cw(c3567,1506.53) R21.2@3567,1620 ; 3486.77,1586.77 cw(c3567,1506.53) R21.2@3567,1620 ; 3486.77,1586.77 cw(c3567,1506.53) R21.2@3567,1620 ; 3486.77,1586.77 cw(c3567,1506.53) R21.2@3567,1620 ; 3511.5,1611.5 cw(c3550.04,1572.96) R21.2@3565.58,1625.21 ; 3511.5,1611.5 cw(c3550.04,1572.96) R21.2@3565.58,1625.21 ; 3511.5,1611.5 cw(c3550.04,1572.96) R21.2@3565.58,1625.21 ; 3511.5,1611.5 cw(c3550.04,1572.96) R21.2@3565.58,1625.21 ; 3511.5,1611.5 cw(c3550.04,1572.96) R21.2@3565.58,1625.21 ; 3511.5,1611.5 cw(c3550.04,1572.96) R21.2@3565.58,1625.21 ; 4515.35,1585.35 cw(c4599,1501.7) R30.1@4599,1620 ; 4515.35,1585.35 cw(c4599,1501.7) R30.1@4599,1620 ; 4515.35,1585.35 cw(c4599,1501.7) R30.1@4599,1620 ; 4515.35,1585.35 cw(c4599,1501.7) R30.1@4599,1620 ; 4515.35,1585.35 cw(c4599,1501.7) R30.1@4599,1620 ; 4515.35,1585.35 cw(c4599,1501.7) R30.1@4599,1620 ; 4540.5,1610.5 cw(c4581.5,1569.51) R30.1@4597.61,1625.2 ; 4540.5,1610.5 cw(c4581.5,1569.51) R30.1@4597.61,1625.2 ; 4540.5,1610.5 cw(c4581.5,1569.51) R30.1@4597.61,1625.2 ; 4540.5,1610.5 cw(c4581.5,1569.51) R30.1@4597.61,1625.2 ; 4540.5,1610.5 cw(c4581.5,1569.51) R30.1@4597.61,1625.2 ; 4540.5,1610.5 cw(c4581.5,1569.51) R30.1@4597.61,1625.2 ; 4852.52,1582.52 cw(c4943,1492.05) R45.2@4943,1620 ; 4852.52,1582.52 cw(c4943,1492.05) R45.2@4943,1620 ; 4852.52,1582.52 cw(c4943,1492.05) R45.2@4943,1620 ; 4852.52,1582.52 cw(c4943,1492.05) R45.2@4943,1620 ; 4852.52,1582.52 cw(c4943,1492.05) R45.2@4943,1620 ; 4852.52,1582.52 cw(c4943,1492.05) R45.2@4943,1620 ; 4878.5,1608.5 cw(c4924.41,1562.6) R45.2@4941.67,1625.18 ; 4878.5,1608.5 cw(c4924.41,1562.6) R45.2@4941.67,1625.18 ; 4878.5,1608.5 cw(c4924.41,1562.6) R45.2@4941.67,1625.18 ; 4878.5,1608.5 cw(c4924.41,1562.6) R45.2@4941.67,1625.18 ; 4878.5,1608.5 cw(c4924.41,1562.6) R45.2@4941.67,1625.18 ; 4878.5,1608.5 cw(c4924.41,1562.6) R45.2@4941.67,1625.18 ; 5206.77,1586.77 cw(c5287,1506.53) R42.2@5287,1620 ; 5206.77,1586.77 cw(c5287,1506.53) R42.2@5287,1620 ; 5206.77,1586.77 cw(c5287,1506.53) R42.2@5287,1620 ; 5206.77,1586.77 cw(c5287,1506.53) R42.2@5287,1620 ; 5206.77,1586.77 cw(c5287,1506.53) R42.2@5287,1620 ; 5206.77,1586.77 cw(c5287,1506.53) R42.2@5287,1620 ; 5231.5,1611.5 cw(c5270.04,1572.96) R42.2@5285.58,1625.21 ; 5231.5,1611.5 cw(c5270.04,1572.96) R42.2@5285.58,1625.21 ; 5231.5,1611.5 cw(c5270.04,1572.96) R42.2@5285.58,1625.21 ; 5231.5,1611.5 cw(c5270.04,1572.96) R42.2@5285.58,1625.21 ; 5231.5,1611.5 cw(c5270.04,1572.96) R42.2@5285.58,1625.21 ; 5231.5,1611.5 cw(c5270.04,1572.96) R42.2@5285.58,1625.21 ; 5889.64,1584.64 cw(c5975,1499.29) R54.2@5975,1620 ; 5889.64,1584.64 cw(c5975,1499.29) R54.2@5975,1620 ; 5889.64,1584.64 cw(c5975,1499.29) R54.2@5975,1620 ; 5889.64,1584.64 cw(c5975,1499.29) R54.2@5975,1620 ; 5889.64,1584.64 cw(c5975,1499.29) R54.2@5975,1620 ; 5889.64,1584.64 cw(c5975,1499.29) R54.2@5975,1620 ; 5915,1610 cw(c5957.22,1567.78) R54.2@5973.63,1625.19 ; 5915,1610 cw(c5957.22,1567.78) R54.2@5973.63,1625.19 ; 5915,1610 cw(c5957.22,1567.78) R54.2@5973.63,1625.19 ; 5915,1610 cw(c5957.22,1567.78) R54.2@5973.63,1625.19 ; 5915,1610 cw(c5957.22,1567.78) R54.2@5973.63,1625.19 ; 5915,1610 cw(c5957.22,1567.78) R54.2@5973.63,1625.19
  Top Layer w50: v2(1025,5340) C1.2@1214.76,5340 1282.6,5407.83 C27.1@1282.6,5600
  other v1: 4112.75,2472.75 4618.96,2486.04 3400,2660 3560,2660 4010,2736.89 4200,2800 3422.6,2865 3525,2865 4260,2865 4760,3071.54 3400,3200 3600,3200 2030,4975
BT_RX: BLUETOOTH.3 U11.83 | length 5219.7
  Top Layer w10: U11.83@4473.43,3151.26 4473.43,3388.43 4500,3415 6030,3415 6065,3450 6065,4125 6110,4170 7035,4170 7080,4215 7080,4775 7105,4800 7146,4800 BLUETOOTH.3@7226,4720 ; 7184.13,4761.87 cw(c7142.26,4720) BLUETOOTH.3@7201.47,4720 ; 7184.13,4761.87 ccw(c7226,4803.74) BLUETOOTH.3@7226,4744.53 ; 7184.13,4761.87 cw(c7142.26,4720) BLUETOOTH.3@7201.47,4720 ; 7184.13,4761.87 ccw(c7226,4803.74) BLUETOOTH.3@7226,4744.53 ; 7184.13,4761.87 cw(c7142.26,4720) BLUETOOTH.3@7201.47,4720 ; 7184.13,4761.87 ccw(c7226,4803.74) BLUETOOTH.3@7226,4744.53 ; 7184.13,4761.87 cw(c7142.26,4720) BLUETOOTH.3@7201.47,4720 ; 7184.13,4761.87 ccw(c7226,4803.74) BLUETOOTH.3@7226,4744.53 ; 7184.13,4761.87 cw(c7142.26,4720) BLUETOOTH.3@7201.47,4720 ; 7184.13,4761.87 ccw(c7226,4803.74) BLUETOOTH.3@7226,4744.53 ; 7184.13,4761.87 ccw(c7226,4803.74) BLUETOOTH.3@7226,4744.53 ; 7184.13,4761.87 cw(c7142.26,4720) BLUETOOTH.3@7201.47,4720 ; 7201.2,4744.8 cw(c7176.4,4720) BLUETOOTH.3@7211.47,4720 ; 7201.2,4744.8 ccw(c7226,4769.6) BLUETOOTH.3@7226,4734.53 ; 7201.2,4744.8 cw(c7176.4,4720) BLUETOOTH.3@7211.47,4720 ; 7201.2,4744.8 ccw(c7226,4769.6) BLUETOOTH.3@7226,4734.53 ; 7201.2,4744.8 cw(c7176.4,4720) BLUETOOTH.3@7211.47,4720 ; 7201.2,4744.8 ccw(c7226,4769.6) BLUETOOTH.3@7226,4734.53 ; 7201.2,4744.8 cw(c7176.4,4720) BLUETOOTH.3@7211.47,4720 ; 7201.2,4744.8 ccw(c7226,4769.6) BLUETOOTH.3@7226,4734.53 ; 7201.2,4744.8 cw(c7176.4,4720) BLUETOOTH.3@7211.47,4720 ; 7201.2,4744.8 ccw(c7226,4769.6) BLUETOOTH.3@7226,4734.53 ; 7201.2,4744.8 ccw(c7226,4769.6) BLUETOOTH.3@7226,4734.53 ; 7201.2,4744.8 cw(c7176.4,4720) BLUETOOTH.3@7211.47,4720